# Altium PCB REFERENCE.PcbDoc (part 1 of 2) (continued)
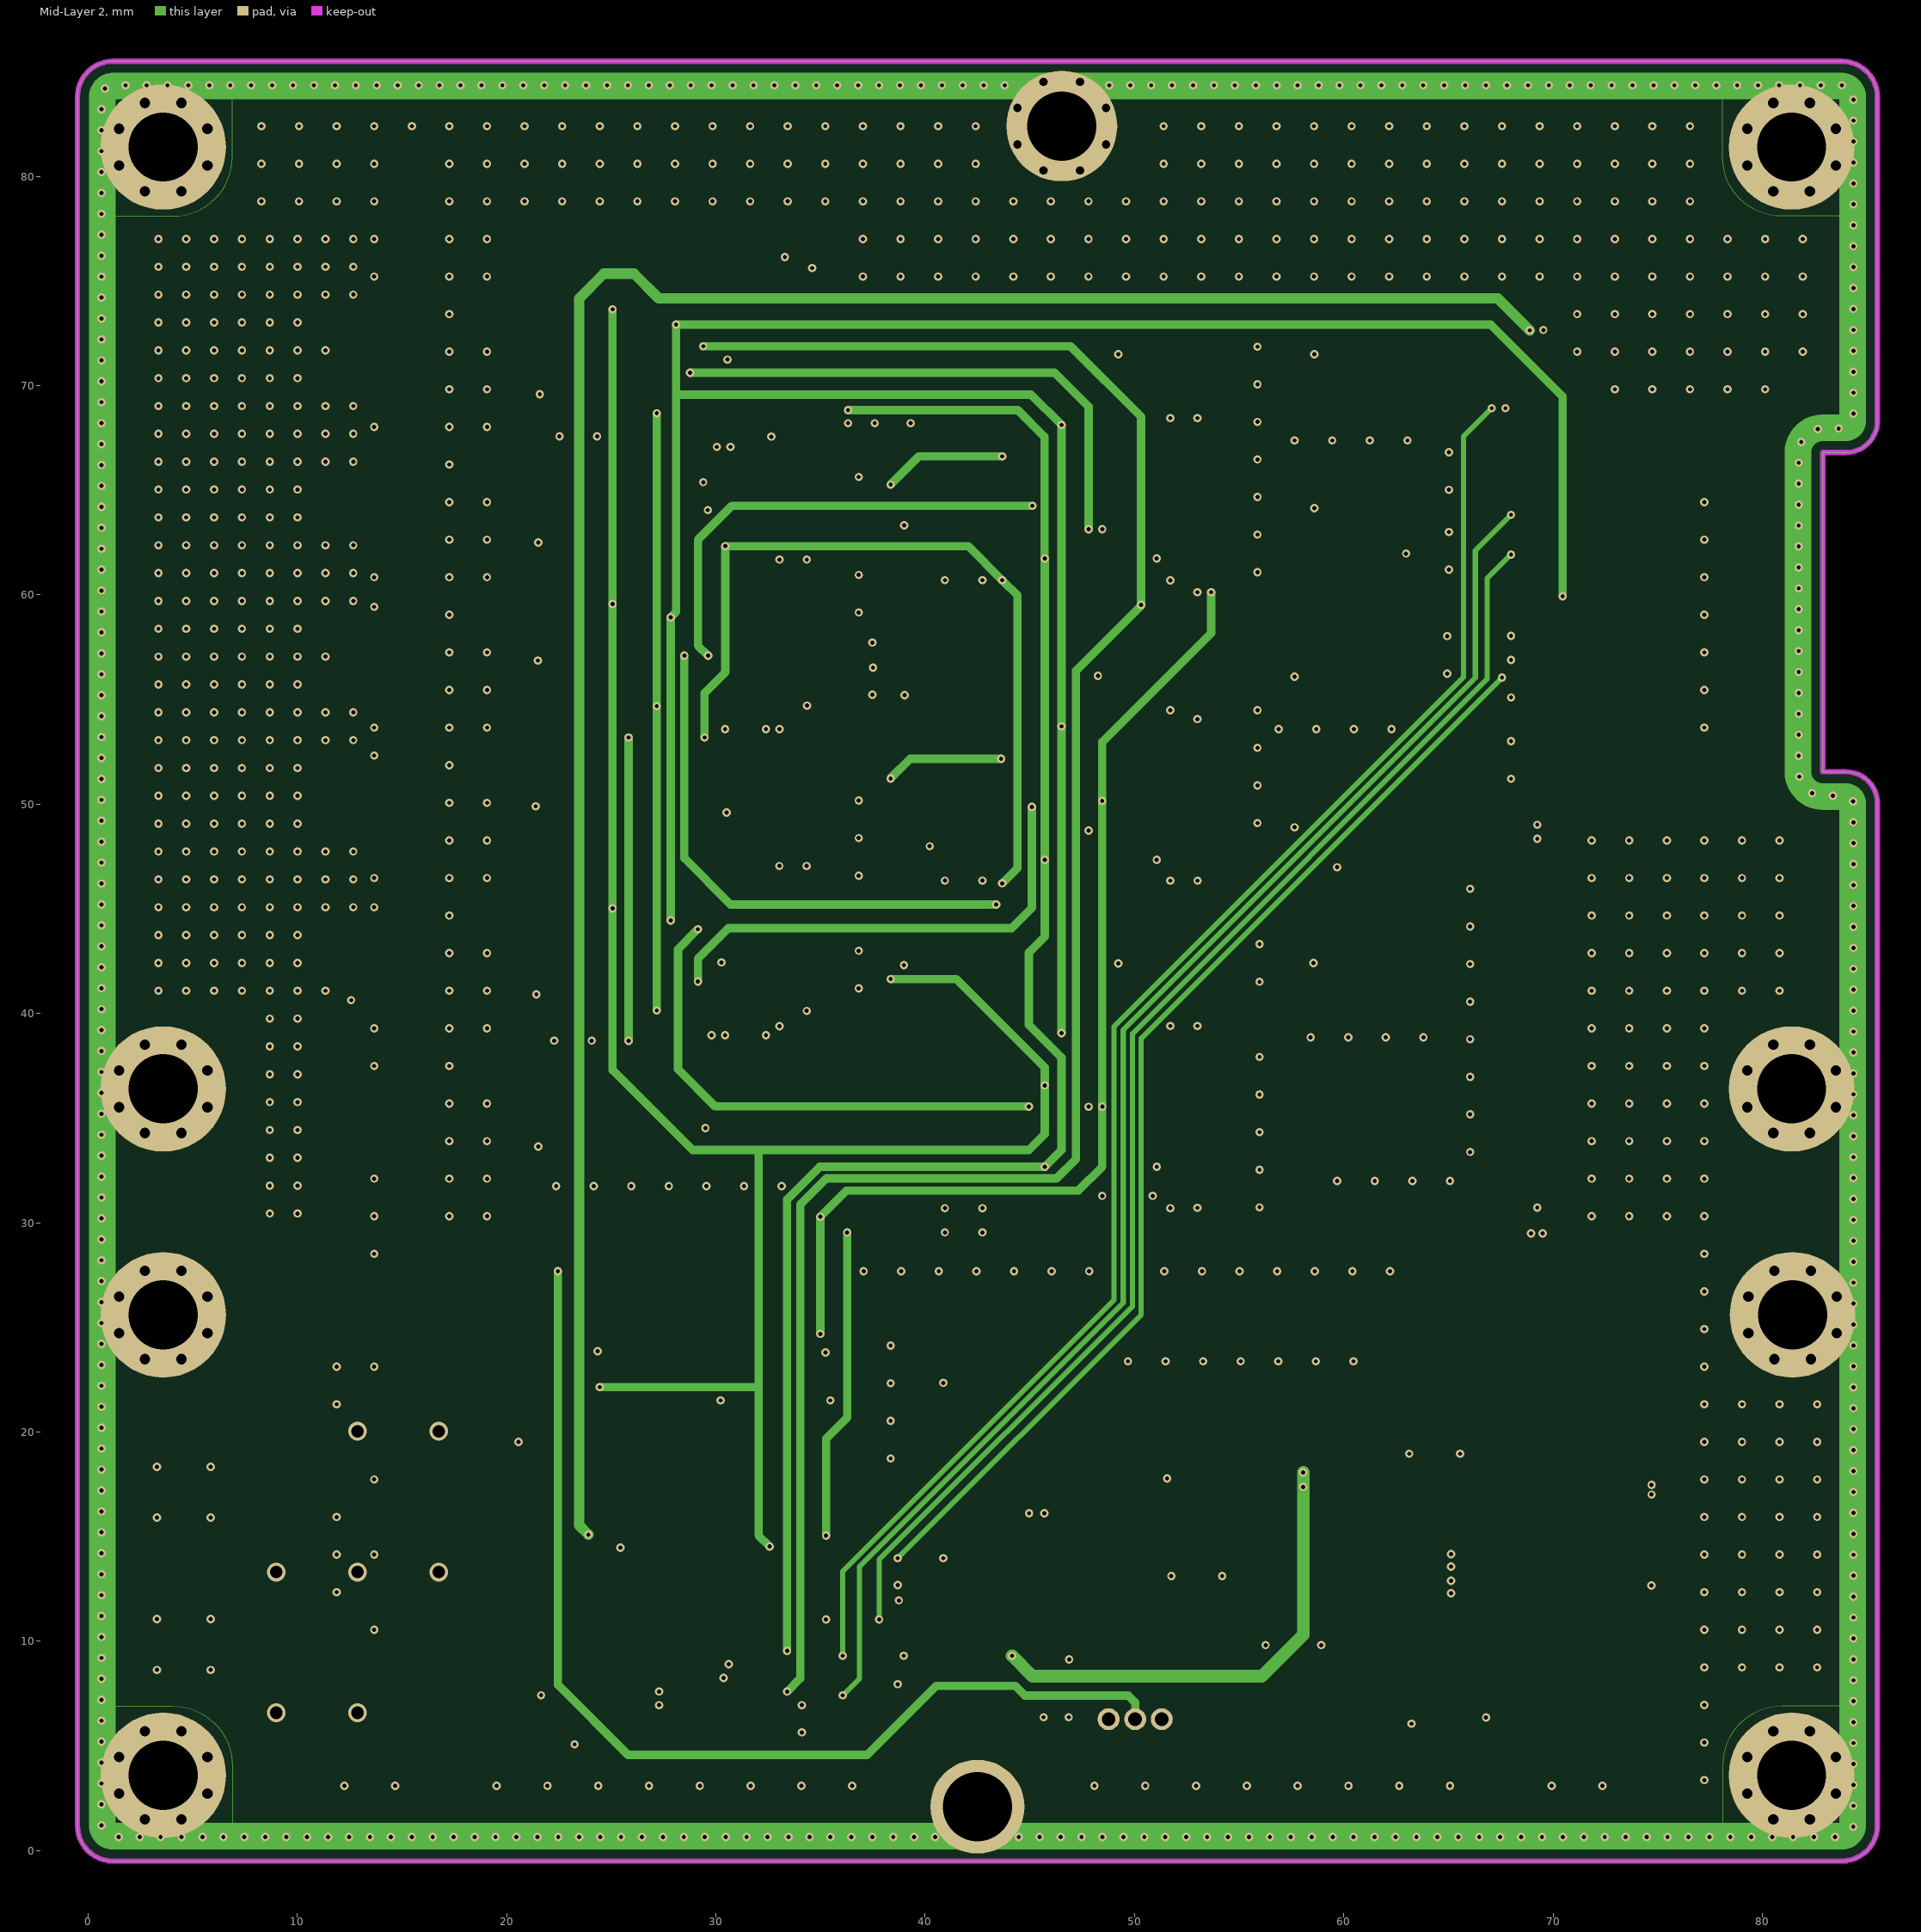
[diagram p3: Mid-Layer 2]
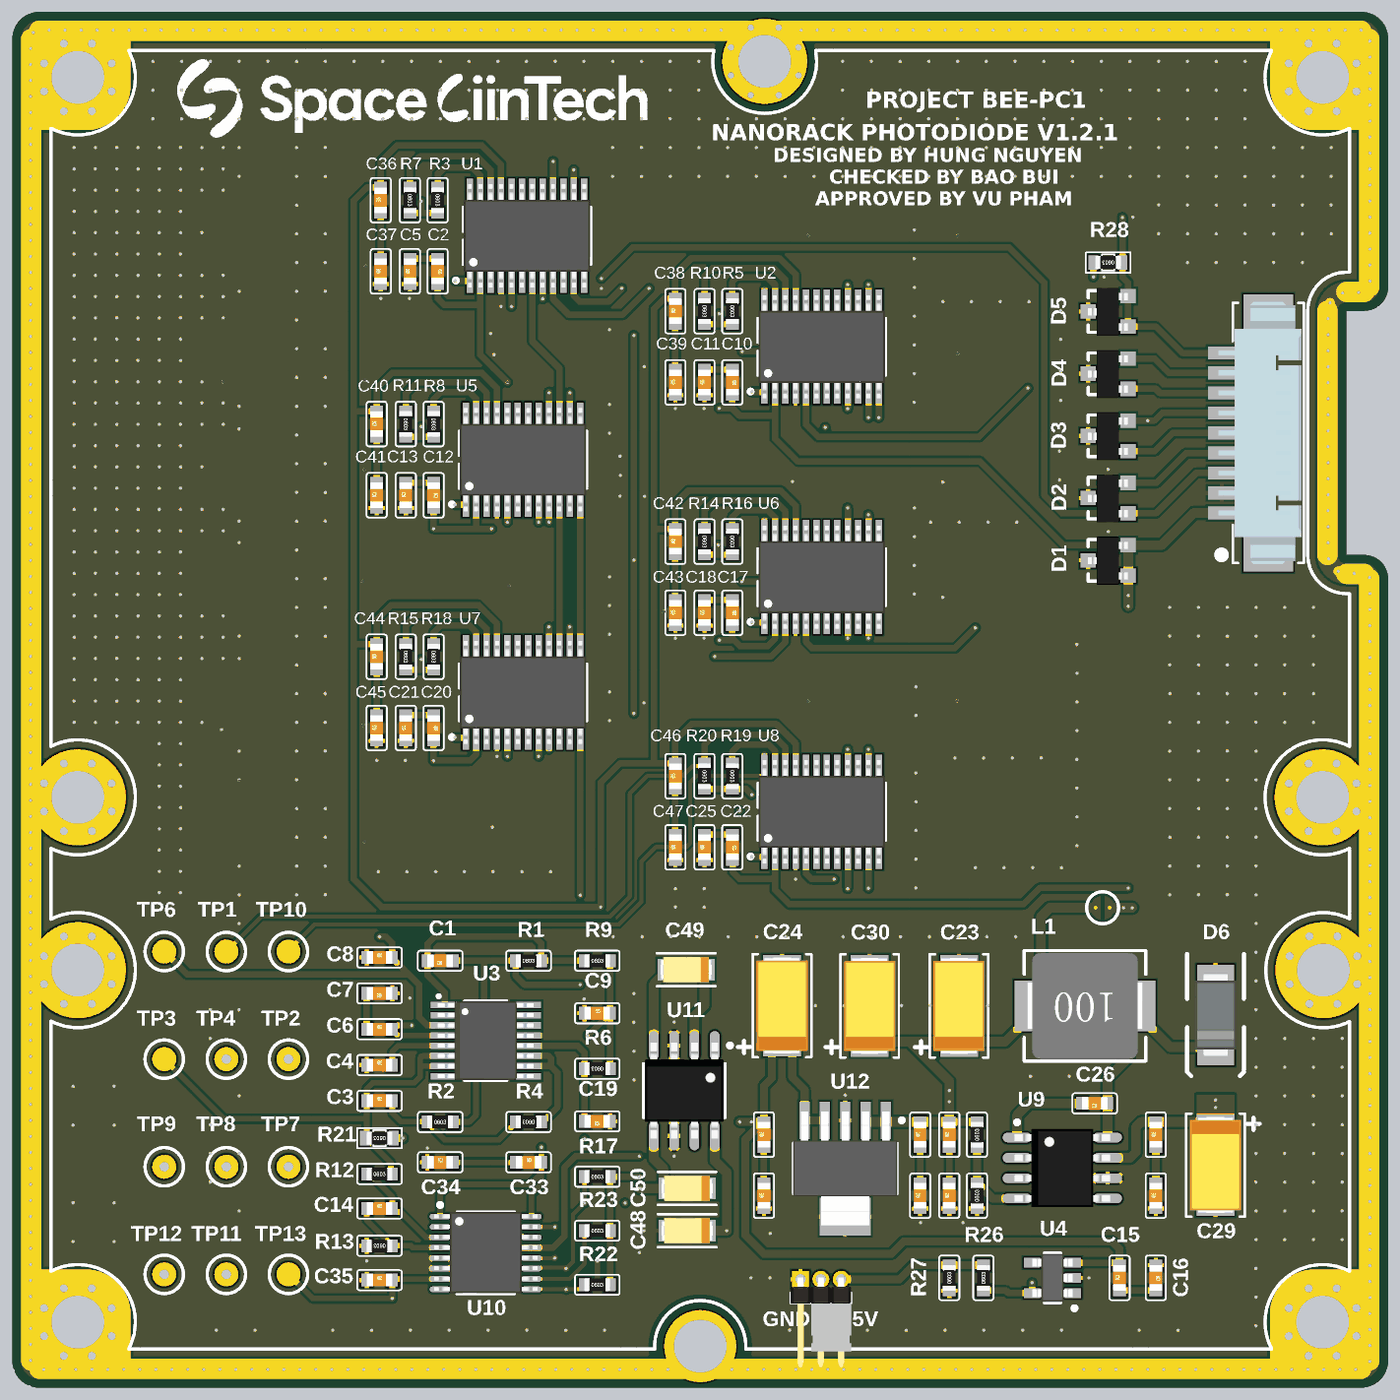
[diagram p5: 3D render of the assembled board from above, using the file's embedded part models]
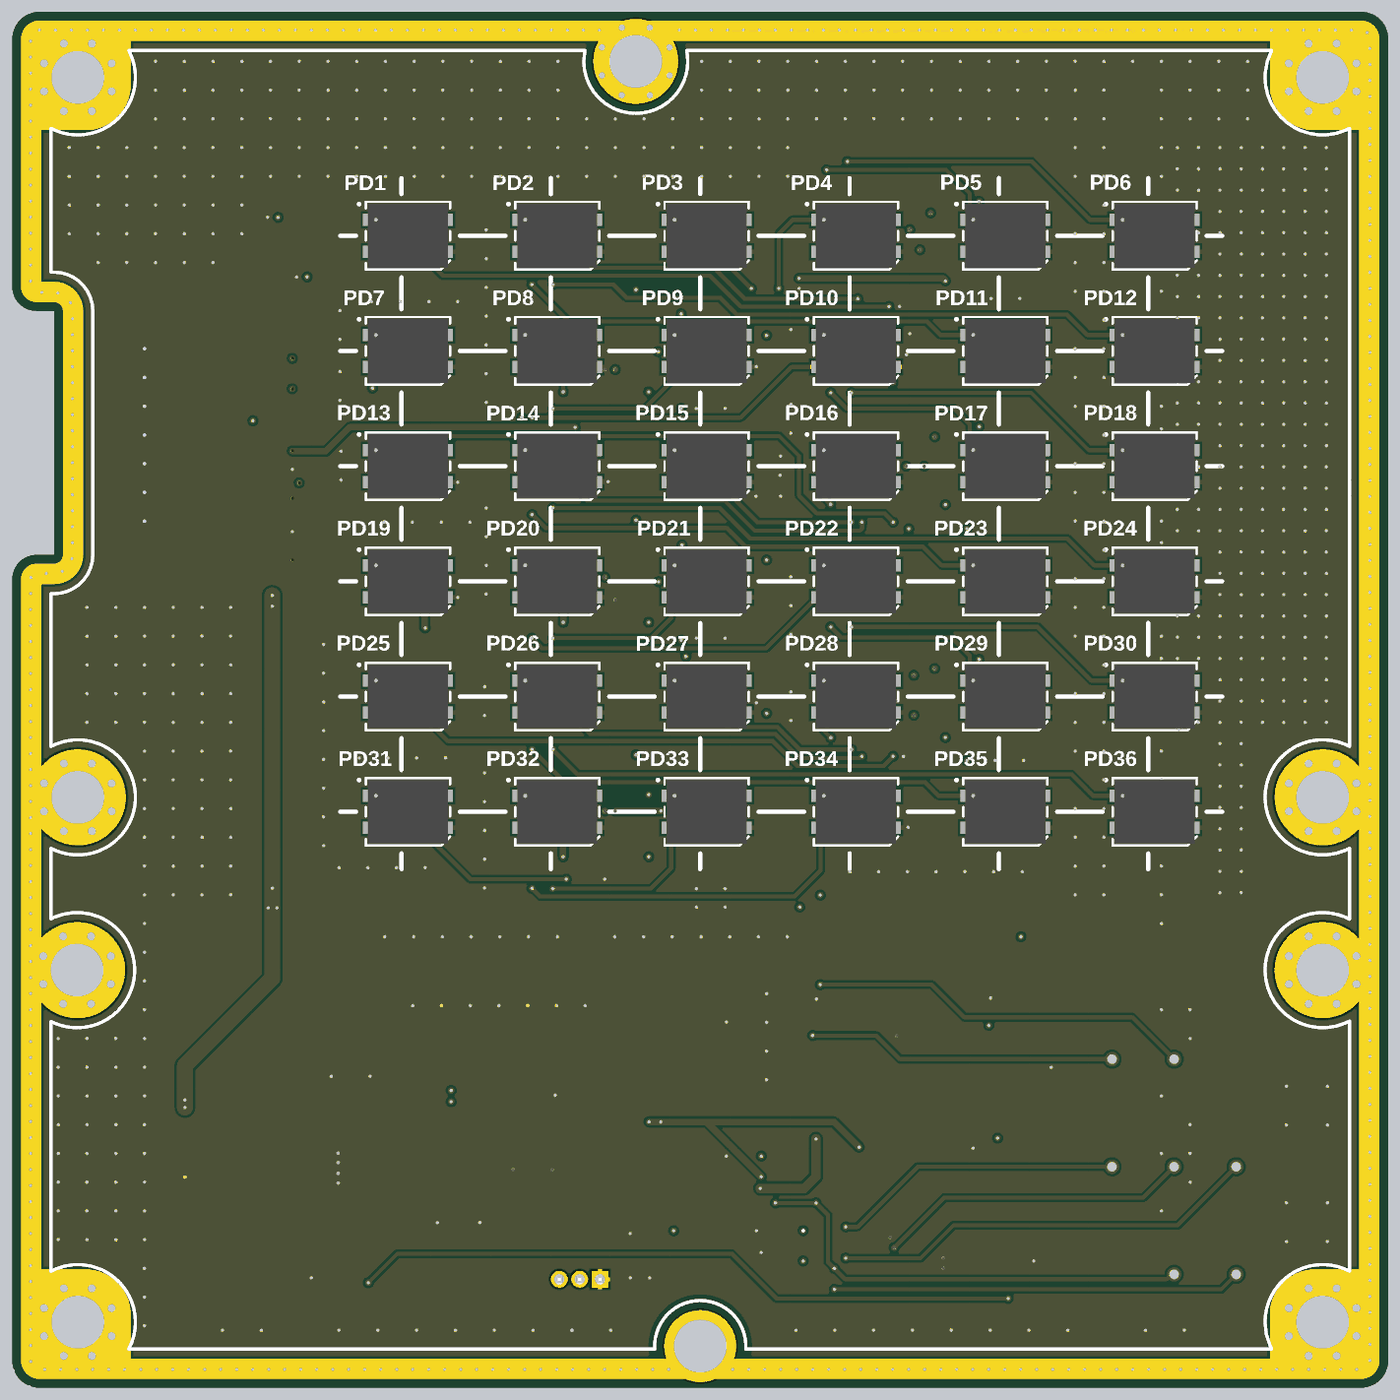
[diagram p6: 3D render of the assembled board from below, using the file's embedded part models]

## Layer stack, top to bottom
Top Solder: solder mask 0.0102, Solder Resist, Dk 3.5
Top Layer: signal copper 0.0356
Dielectric 1: dielectric 0.32, FR-4, Dk 4.8
Mid-Layer 1: signal copper 0.0356
Dielectric2: dielectric 0.32, FR-4, Dk 4.8
Mid-Layer 2: signal copper 0.0356
Dielectric3: dielectric 0.32, FR-4, Dk 4.8
Bottom Layer: signal copper 0.0356
Bottom Solder: solder mask 0.0102, Solder Resist, Dk 3.5

## Board outline
-0.5,1.2 -0.5,83.8 -0.5,83.806 cw(c1.2,83.8) 1.2,85.5 83.8,85.5 83.806,85.5 cw(c83.8,83.8) 85.5,83.8 85.5,68.306 85.5,68.301 cw(c84,68.306) 84,66.806 82.886,66.806 82.886,51.55 84,51.55 cw(c84,50.05) 85.5,50.05 85.5,1.2 85.5,1.196 cw(c83.8,1.2) 83.8,-0.5 1.2,-0.5 1.194,-0.5 cw(c1.2,1.2)

## Design rules (kind name [scope] priority, off if disabled: settings)
Clearance [All] p1: gap=0.15 ignorepadtopadclearanceinfootprint=TRUE
HoleSize [All] p1: absolutevalues=TRUE maxlimit=6 minlimit=0.025 maxpercent=80.000 minpercent=20.000
HoleToHoleClearance [All] p1: gap=0.12 allowstackedmicrovias=TRUE
MinimumSolderMaskSliver [All] p1: minsoldermaskwidth=0.17
PolygonConnect [All] p1: thpad.connectstyle=Relief thpad.reliefconductorwidth=0.254 thpad.reliefentries=4 thpad.polygonreliefangle="90 Angle" thpad.airgapwidth=0.15 thpad.conductorbypadedge=TRUE thpad.mindistance=0.381 thpad.enablemindistance=FALSE smdpad.connectstyle=Relief smdpad.reliefconductorwidth=0.254 smdpad.reliefentries=4 smdpad.polygonreliefangle="90 Angle" smdpad.airgapwidth=0.15 smdpad.conductorbypadedge=TRUE smdpad.mindistance=0.381 smdpad.enablemindistance=FALSE via.connectstyle=Direct via.reliefconductorwidth=0.254 via.reliefentries=4 via.polygonreliefangle="90 Angle" via.airgapwidth=0.254
RoutingVias [All] p1: holewidth=0.2 width=0.4 viastyle="Through Hole" minholewidth=0.2 minwidth=0.4 maxholewidth=0.6 maxwidth=0.9
SilkToSilkClearance [All] p1: silktosilkclearance=0.12
SilkToSolderMaskClearance [IsPad] p1: minsilkscreentomaskgap=0.12 clearancetoexposedcopper=TRUE
SolderMaskExpansion [All] p1: expansion=0.102 istentingtop=FALSE
Width [All] p1: maxlimit=3 minlimit=0.254 preferedwidth=0.4
25 further rules are at their usual default settings.

## Classes and differential pairs
component class "POWER SWITCH AND LDO": C23 C24 C26 C27 C28 C29 C30 C31 C32 C48 C49 C50 C173 C213 C215 C219 D6 JP1 L1 R24 R25 U9 U11 U12
component class PHOTODIODE: C1 C2 C3 C4 C5 C6 C7 C8 C9 C10 C11 C12 C13 C15 C16 C17 C18 C19 C20 C21 C22 C25 C36 C37 C38 C39 C40 C41 C42 C43 C44 C45 C46 C47 J2 PD1 PD2 PD3 PD4 PD5 PD6 PD7 PD8 PD9 PD10 PD11 PD12 PD13 PD14 PD15 PD16 PD17 PD18 PD19 PD20 PD21 PD22 PD23 PD24 PD25 PD26 PD27 PD28 PD29 PD30 PD31 PD32 PD33 PD34 PD35 PD36 R1 R2 R3 R4 R5 R6 R7 R8 R9 R10 R11 R14 R15 R16 R18 R19 R20 R21 R26 R27 TP1 TP2 TP3 TP4 TP6 U1 U2 U3 U4 U5 U6 U7 U8
component class COMMUNICATION: C14 C33 C34 C35 D1 D2 D3 D4 D5 H1 H2 H3 H4 H5 H6 H7 H8 H9 J1 R12 R13 R17 R22 R23 R28 TP7 TP8 TP9 TP10 TP11 TP12 TP13 U10

## Components (designator, comment, footprint, x,y, rotation, side; value= is the part's Value field where it differs from the comment)
C1 "470pF/25V" CN-SMD-0603 26.244,26.192 r180 top value=103
C2 "0.22uF/25V" CN-SMD-0603 26.088,69.276 r270 top value=103
C3 "10nF/25V" CN-SMD-0603 22.455,17.429 r0 top value=103
C4 "10nF/25V" CN-SMD-0603 22.455,19.67 r0 top value=103
C5 "0.22uF/25V" CN-SMD-0603 24.354,69.276 r90 top value=103
C6 "0.22uF/25V" CN-SMD-0603 22.455,21.91 r0 top value=103
C7 "0.22uF/25V" CN-SMD-0603 22.455,24.151 r180 top value=103
C8 "0.22uF/25V" CN-SMD-0603 22.455,26.392 r0 top value=103
C9 "470pF/25V" CN-SMD-0603 36.068,22.906 r0 top value=103
C10 "0.22uF/25V" CN-SMD-0603 44.502,62.338 r270 top value=103
C11 "0.22uF/25V" CN-SMD-0603 42.768,62.338 r90 top value=103
C12 "0.22uF/25V" CN-SMD-0603 25.834,55.282 r270 top value=103
C13 "0.22uF/25V" CN-SMD-0603 24.1,55.282 r90 top value=103
C14 "470pF/25V" CN-SMD-0603 22.455,10.707 r0 top value=103
C15 "0.22uF/25V" CN-SMD-0603 68.708,6.367 r90 top value=103
C16 "0.22uF/25V" CN-SMD-0603 70.974,6.367 r270 top value=103
C17 "0.22uF/25V" CN-SMD-0603 44.502,47.938 r270 top value=103
C18 "0.22uF/25V" CN-SMD-0603 42.768,47.938 r90 top value=103
C19 "10nF/25V" CN-SMD-0603 36.068,16.154 r180 top value=103
C20 "0.22uF/25V" CN-SMD-0603 25.834,40.738 r270 top value=103
C21 "0.22uF/25V" CN-SMD-0603 24.1,40.738 r90 top value=103
C22 "0.22uF/25V" CN-SMD-0603 44.502,33.276 r270 top value=103
C23 "100uF 16V" "CAP TANT 2312" 58.674,23.368 r90 top
C24 "100uF 16V" "CAP TANT 2312" 47.612,23.38 r90 top
C25 "0.22uF/25V" CN-SMD-0603 42.768,33.276 r90 top value=103
C26 "10nF/25V" CN-SMD-0603 67.156,17.272 r180 top value=103
C27 "0.22uF/25V" CN-SMD-0603 70.974,15.317 r90 top value=103
C28 "0.22uF/25V" CN-SMD-0603 58.067,15.317 r90 top value=103
C29 "100uF/16V" "CAP TANT 2312" 74.706,13.411 r270 top
C30 "100uF/16V" "CAP TANT 2312" 53.086,23.368 r90 top
C31 "0.22uF/25V" CN-SMD-0603 70.974,11.505 r90 top value=103
C32 "0.22uF/25V" CN-SMD-0603 58.067,11.505 r90 top value=103
C33 "0.22uF/25V" CN-SMD-0603 31.771,13.588 r0 top value=103
C34 "0.22uF/25V" CN-SMD-0603 26.244,13.588 r0 top value=103
C35 "0.22uF/25V" CN-SMD-0603 22.455,6.226 r0 top value=103
C36 "0.22uF/25V" CN-SMD-0603 22.532,73.724 r90 top value=103
C37 "0.22uF/25V" CN-SMD-0603 22.532,69.276 r90 top value=103
C38 "0.22uF/25V" CN-SMD-0603 40.946,66.786 r90 top value=103
C39 "0.22uF/25V" CN-SMD-0603 40.946,62.338 r90 top value=103
C40 "0.22uF/25V" CN-SMD-0603 22.278,59.73 r90 top value=103
C41 "0.22uF/25V" CN-SMD-0603 22.278,55.282 r90 top value=103
C42 "0.22uF/25V" CN-SMD-0603 40.946,52.386 r90 top value=103
C43 "0.22uF/25V" CN-SMD-0603 40.946,47.938 r90 top value=103
C44 "0.22uF/25V" CN-SMD-0603 22.278,45.186 r90 top value=103
C45 "0.22uF/25V" CN-SMD-0603 22.278,40.738 r90 top value=103
C46 "0.22uF/25V" CN-SMD-0603 40.946,37.724 r90 top value=103
C47 "0.22uF/25V" CN-SMD-0603 40.946,33.276 r90 top value=103
C48 "10uF 16V" CAP_TANT_1206 41.678,9.312 r180 top
C49 "10uF 16V" CAP_TANT_1206 41.617,25.628 r180 top
C50 "10uF 16V" CAP_TANT_1206 41.678,11.955 r180 top
C173 "0.22uF/25V" CN-SMD-0603 56.247,15.317 r90 top value=103
C213 "0.22uF/25V" CN-SMD-0603 46.482,15.317 r90 top value=103
C215 "0.22uF/25V" CN-SMD-0603 46.482,11.505 r90 top value=103
C219 "0.22uF/25V" CN-SMD-0603 56.247,11.505 r90 top value=103
D1 "S2312" SOT23-123 67.998,51.214 r90 top
D2 "S2305" SOT23-123 67.998,55.104 r90 top
D3 "S2305" SOT23-123 67.998,58.993 r90 top
D4 "S2305" SOT23-123 67.998,62.882 r90 top
D5 "S2305" SOT23-123 67.998,66.771 r90 top
D6 "SS54" DIO-SMD-A 74.706,22.796 r90 top value=1N5007
H1 "HOLD" "M3 - 6mm"#1 3.6,3.6 r22.5 top
H2 "HOLD" "M3 - 6mm"#1 81.4,3.6 r22.5 top
H3 "HOLD" "M3 - 6mm"#1 81.448,25.6 r22.5 top
H4 "HOLD" "M3 - 6mm"#1 81.4,36.4 r22.5 top
H5 "HOLD" "M3 - 6mm"#1 81.4,81.4 r22.5 top
H6 "HOLD" "M3 - 6mm"#1 3.6,81.4 r22.5 top
H7 "HOLD" "M3 - 6mm"#1 3.6,36.4 r22.5 top
H8 "HOLD" "M3 - 6mm"#1 3.6,25.6 r22.5 top
H9 "HOLD" "M3 - 6mm"#2 46.53,82.4 r22.5 top
J1 "0532610971" 0532610971 78,59.175 r270 top
J2 "Conn shunt" M50-3930342 50.038,5.282 r0 top
JP1 "JUMP2" Jump2 67.648,29.5 r270 top
L1 "15uH/3.5A" SRP7050TA 66.548,23.368 r180 top
PD1 "Photodiode" VEMD5080X01#1 61.172,71.5 r180 bottom locked
PD2 "Photodiode" VEMD5080X01#1 51.838,71.5 r180 bottom locked
PD3 "Photodiode" VEMD5080X01#1 42.504,71.5 r180 bottom locked
PD4 "Photodiode" VEMD5080X01#1 33.17,71.5 r180 bottom locked
PD5 "Photodiode" VEMD5080X01#1 23.836,71.5 r180 bottom locked
PD6 "Photodiode" VEMD5080X01#1 14.502,71.5 r180 bottom locked
PD7 "Photodiode" VEMD5080X01#1 61.172,64.3 r180 bottom locked
PD8 "Photodiode" VEMD5080X01#1 51.838,64.3 r180 bottom locked
PD9 "Photodiode" VEMD5080X01#1 42.504,64.3 r180 bottom locked
PD10 "Photodiode" VEMD5080X01#2 33.17,64.3 r180 bottom locked
PD11 "Photodiode" VEMD5080X01#1 23.836,64.3 r180 bottom locked
PD12 "Photodiode" VEMD5080X01#1 14.502,64.3 r180 bottom locked
PD13 "Photodiode" VEMD5080X01#1 61.172,57.1 r180 bottom locked
PD14 "Photodiode" VEMD5080X01#1 51.838,57.1 r180 bottom locked
PD15 "Photodiode" VEMD5080X01#1 42.504,57.1 r180 bottom locked
PD16 "Photodiode" VEMD5080X01#1 33.17,57.1 r180 bottom locked
PD17 "Photodiode" VEMD5080X01#1 23.836,57.1 r180 bottom locked
PD18 "Photodiode" VEMD5080X01#1 14.502,57.1 r180 bottom locked
PD19 "Photodiode" VEMD5080X01#1 61.172,49.9 r180 bottom locked
PD20 "Photodiode" VEMD5080X01#1 51.838,49.9 r180 bottom locked
PD21 "Photodiode" VEMD5080X01#1 42.504,49.9 r180 bottom locked
PD22 "Photodiode" VEMD5080X01#1 33.17,49.9 r180 bottom locked
PD23 "Photodiode" VEMD5080X01#1 23.836,49.9 r180 bottom locked
PD24 "Photodiode" VEMD5080X01#1 14.502,49.9 r180 bottom locked
PD25 "Photodiode" VEMD5080X01#1 61.172,42.7 r180 bottom locked
PD26 "Photodiode" VEMD5080X01#1 51.838,42.7 r180 bottom locked
PD27 "Photodiode" VEMD5080X01#1 42.504,42.7 r180 bottom locked
PD28 "Photodiode" VEMD5080X01#1 33.17,42.7 r180 bottom locked
PD29 "Photodiode" VEMD5080X01#1 23.836,42.7 r180 bottom locked
PD30 "Photodiode" VEMD5080X01#1 14.502,42.7 r180 bottom locked
PD31 "Photodiode" VEMD5080X01#1 61.172,35.5 r180 bottom locked
PD32 "Photodiode" VEMD5080X01#1 51.838,35.5 r180 bottom locked
PD33 "Photodiode" VEMD5080X01#1 42.504,35.5 r180 bottom locked
PD34 "Photodiode" VEMD5080X01#1 33.17,35.5 r180 bottom locked
PD35 "Photodiode" VEMD5080X01#1 23.836,35.5 r180 bottom locked
PD36 "Photodiode" VEMD5080X01#1 14.502,35.5 r180 bottom locked
R1 "330k 1%" RES-SMD-0603#1 31.771,26.192 r0 top
R2 "10K 1%" RES-SMD-0603#1 26.244,16.109 r0 top
R3 "4.7K 1%" RES-SMD-0603#1 26.088,73.724 r270 top
R4 "10K 1%" RES-SMD-0603#1 31.771,16.109 r180 top
R5 "4.7K 1%" RES-SMD-0603#1 44.502,66.786 r270 top
R6 "10K 1%" RES-SMD-0603#1 36.068,19.44 r180 top
R7 "4.7K 1%" RES-SMD-0603#1 24.354,73.724 r270 top
R8 "4.7K 1%" RES-SMD-0603#1 25.834,59.73 r270 top
R9 "51R 1%" RES-SMD-0603#1 36.068,26.192 r0 top
R10 "4.7K 1%" RES-SMD-0603#1 42.768,66.786 r270 top
R11 "4.7K 1%" RES-SMD-0603#1 24.1,59.73 r270 top
R12 "22R 1%" RES-SMD-0603#1 22.455,12.858 r0 top
R13 "22R 1%" RES-SMD-0603#1 22.455,8.377 r180 top
R14 "4.7K 1%" RES-SMD-0603#1 42.768,52.386 r270 top
R15 "4.7K 1%" RES-SMD-0603#1 24.1,45.186 r270 top
R16 "4.7K 1%" RES-SMD-0603#1 44.502,52.386 r270 top
R17 "4.7K 1%" RES-SMD-0603#1 36.068,12.688 r0 top
R18 "4.7K 1%" RES-SMD-0603#1 25.834,45.186 r270 top
R19 "4.7K 1%" RES-SMD-0603#1 44.502,37.724 r270 top
R20 "4.7K 1%" RES-SMD-0603#1 42.768,37.724 r270 top
R21 "0R/DNP" RES-SMD-0603#2 22.455,15.099 r180 top
R22 "4.7K 1%" RES-SMD-0603#1 36.068,5.936 r0 top
R23 "4.7K 1%" RES-SMD-0603#1 36.068,9.312 r0 top
R24 "10K 1%" RES-SMD-0603#1 59.797,15.317 r90 top
R25 "3.24K 0.1%" RES-SMD-0603#1 59.797,11.505 r90 top
R26 "10K 1%" RES-SMD-0603#1 60.197,6.367 r90 top
R27 "2K 1%" RES-SMD-0603#1 58.067,6.367 r90 top
R28 "0R" RES-SMD-0603#2 67.998,69.827 r180 top
TP1 "Test_Point" TESTPOINT#1 12.882,26.763 r0 top
TP2 "Test_Point" TESTPOINT#1 16.764,20.037 r180 top
TP3 "Test_Point" TESTPOINT#1 9,20.037 r180 top
TP4 "Test_Point" TESTPOINT#1 12.882,20.037 r180 top
TP6 "Test_Point" TESTPOINT#2 10.66,26.763 r180 top
TP7 "Test_Point" TESTPOINT#1 16.764,13.312 r180 top
TP8 "Test_Point" TESTPOINT#1 12.882,13.312 r180 top
TP9 "Test_Point" TESTPOINT#1 9,13.312 r180 top
TP10 "Test_Point" TESTPOINT#3 17.806,26.763 r90 top
TP11 "Test_Point" TESTPOINT#1 12.882,6.587 r180 top
TP12 "Test_Point" TESTPOINT#1 9,6.587 r180 top
TP13 "Test_Point" TESTPOINT#1 16.764,6.587 r180 top
U1 "ADG1414BRUZ" TSSOP24 31.676,71.5 r90 top
U2 "ADG1414BRUZ" TSSOP24 50.09,64.562 r90 top
U3 "OPA4340" SSOP16 29.093,21.195 r0 top
U4 "REF1930" SOT23-5 64.516,6.367 r180 top
U5 "ADG1414BRUZ" TSSOP24 31.422,57.506 r90 top
U6 "ADG1414BRUZ" TSSOP24 50.09,50.162 r90 top
U7 "ADG1414BRUZ" TSSOP24 31.422,42.962 r90 top
U8 "ADG1414BRUZ" TSSOP24 50.09,35.5 r90 top
U9 "TPS5430DDAR" HSOP8 65.131,13.233 r0 top
U10 "ADS8327" TSSOP16 29.093,7.926 r0 top
U11 "ICL7660" SO8 41.502,18.067 r270 top
U12 "TPS7A4533DCQR" SOT223-6 51.562,13.208 r270 top

## Footprints (in the part's own frame and the unit in brackets; to place one, negate y for a bottom-side part, rotate by r counter-clockwise, add the part's x,y. Pads: shape width x height; smd on the part's side, far side on the other; paste and mask are expansions set on the pad)
0532610971 [mil] "CONN HEADER SMD R/A 9POS 1.25MM"
  rect 32x67 smd paste+0 mask+0: 1(196.85,-114.35) 2(147.64,-114.35) 3(98.43,-114.35) 4(49.21,-114.35) 5(0,-114.35) 6(-49.21,-114.35) 7(-98.43,-114.35) 8(-147.64,-114.35) 9(-196.85,-114.35)
  rect 87x122 smd: 10(-297.24,-0.18) 11(297.24,-0.18)
  silkscreen extent -320,-123 320,88, body extent -323,-122 323,83, height 134
"CAP TANT 2312" [mil]
  rect 74x93 smd paste+0 mask+1.97: 1(-88,0) 2(88,0)
  silkscreen extent -127,-72 127,72, body extent -118,-63 118,63, height 110
CAP_TANT_1206 [mil]
  rect 49.98x53 smd paste+0 mask+0: 1(-45.01,0) 2(45.01,0)
  silkscreen extent -72,-41 72,41, body extent -63,-31 63,31, height 71
CN-SMD-0603 [mm]
  rect 0.7x0.8 smd: 1(-0.8,0) 2(0.8,0)
  silkscreen extent -1.4,-0.64 1.4,0.64, body extent -0.8,-0.4 0.8,0.4, height 0.3
DIO-SMD-A [mm]
  rect 2.286x2.3 smd: 1(2,0) 2(-2,0)
  silkscreen extent -3.81,-1.78 3.81,1.78, body extent -2.6,-1.3 2.6,1.3, height 2.4
HSOP8 [mm] "SOIC, 8-Leads, Body 4.9x3.9mm, Pitch 1.27mm, IPC High Density"
  oval 1.8x0.6 smd: 1(-2.825,1.905) 2(-2.825,0.635) 3(-2.825,-0.635) 4(-2.825,-1.905) 5(2.825,-1.905) 6(2.825,-0.635) 7(2.825,0.635) 8(2.825,1.905)
  rect 2.3x2.8 smd: 9(0,0)
  silkscreen extent -2.95,2.73 -2.7,2.98, body extent -2.99,-2.45 3,2.45, height 1.6
Jump2 [mil]
  round 1 smd paste-99999: 1(0,17.33) 2(0,-17.33)
  Top Layer region: 29.08,-5.13 23.68,-17.63 13.25,-26.39 0,-29.53 -13.25,-26.39 -23.68,-17.63 -29.08,-5.13 -29.08,-5.13
  Top Layer region: -29.08,5.13 -23.68,17.63 -13.25,26.39 0,29.53 13.25,26.39 23.68,17.63 29.08,5.13 29.08,5.13
  silkscreen extent -39,-39 39,39
"M3 - 6mm"#1 [mm] "3.3 x 6mm"
  round 0.8 hole 0.5: 1(-2.286,0) 1(-1.616,-1.616) 1(-1.616,1.616) 1(0,-2.286) 1(0,2.286) 1(1.616,-1.616) 1(1.616,1.616) 1(2.286,0)
  round 6 hole 3.3: 1(0,0)
"M3 - 6mm"#2 [mm] "3.3 x 6mm"
  round 0.7 hole 0.4: 1(-2.286,0) 1(-1.616,-1.616) 1(-1.616,1.616) 1(0,-2.286) 1(0,2.286) 1(1.616,-1.616) 1(1.616,1.616) 1(2.286,0)
  round 5.3 hole 3.3: 1(0,0)
M50-3930342 [mm]
  rect 1.05x1.05 / inner round 1.05 / far side rect 1.05x1.05 hole 0.65: 1(-1.27,1)
  round 1.05 hole 0.65: 2(0,1) 3(1.27,1)
  silkscreen extent -1.91,-0.5 1.91,0.15, body extent -1.91,-4.51 1.91,1.19, height 2.05
RES-SMD-0603#1 [mm]
  rect 0.7x0.8 smd: 1(-0.8,0) 2(0.8,0)
  silkscreen extent -1.4,-0.64 1.4,0.64, body extent -0.8,-0.4 0.8,0.4, height 0.43
RES-SMD-0603#2 [mm]
  rect 0.6x0.9 smd: 1(-0.889,0) 2(0.927,0)
  silkscreen extent -1.4,-0.64 1.4,0.64, body extent -0.8,-0.4 0.8,0.4, height 0.43
SO8 [mm] "SOIC, 8-Leads, Body 4.9x3.9mm, Pitch 1.27mm, IPC High Density"
  oval 1.8x0.6 smd: 1(-2.825,1.905) 2(-2.825,0.635) 3(-2.825,-0.635) 4(-2.825,-1.905) 5(2.825,-1.905) 6(2.825,-0.635) 7(2.825,0.635) 8(2.825,1.905)
  silkscreen extent -2.95,-2.55 1.68,2.98, body extent -2.99,-2.45 3,2.45, height 1.6
SOT23-5 [mm] "SOT23-5"
  rect 1x0.6 smd: 1(-1.275,0.95) 2(-1.275,0) 3(-1.275,-0.95) 4(1.275,-0.95) 5(1.275,0.95)
  silkscreen extent -1.5,-1.55 0.5,2.02, body extent -1.25,-1.5 1.25,1.5, height 1.1
SOT23-123 [mm] "SOT23, 1=bottom-left, 2=top, 3=bottom-right"
  rect 0.9x0.95 smd: 1(-0.95,-1.25) 2(0,1.25)
  rect 0.9x0.95 smd mask+0: 3(0.95,-1.25)
  silkscreen extent -1.3,-0.38 1.3,1.25, body extent -1.52,-1.23 1.48,1.27, height 1.06
SOT223-6 [mm]
  rect 2.346x0.632 smd paste+0 mask+0.05: 1(-3.01,2.54) 2(-3.01,1.27) 3(-3.01,0) 4(-3.01,-1.27) 5(-3.01,-2.54)
  rect 2.346x3.172 smd paste+0 mask+0.05: 6(3.01,0)
  silkscreen extent -3.14,-3.25 1.6,3.66, body extent -3.55,-3.25 3.55,3.25, height 1.66
SRP7050TA [mm] "Precision Wire Wound Inductor, 2-Leads, Body 7.30x6.60mm, IPC Medium Density"
  rect 3.3x3.15 smd: 1(-2.75,0) 2(2.75,0)
  silkscreen extent -3.8,-3.45 3.8,3.45, body extent -3.6,-3.3 3.6,3.3, height 4.91
SSOP16 [mm]
  rect 1.8x0.4 smd mask+0.05: 1(-2.553,2.222) 2(-2.553,1.587) 3(-2.553,0.953) 4(-2.553,0.318) 5(-2.553,-0.318) 6(-2.553,-0.953) 7(-2.553,-1.587) 8(-2.553,-2.222) 9(2.553,-2.222) 10(2.553,-1.587) 11(2.553,-0.953) 12(2.553,-0.318) 13(2.553,0.318) 14(2.553,0.953) 15(2.553,1.587) 16(2.553,2.222)
  silkscreen extent -3,-2.5 1.33,2.84, body extent -3,-2.45 3,2.45, height 1.75
TESTPOINT#1 [mm]
  round 1.5 smd paste-2539.97: 1(0,0)
  silkscreen extent -1.2,-1.2 1.2,1.2
TESTPOINT#2 [mm]
  round 1.5 smd paste-2539.97: 1(1.66,0)
  silkscreen extent 0.46,-1.2 2.86,1.2
TESTPOINT#3 [mm]
  round 1.5 smd paste-2539.97: 1(0,1.042)
  silkscreen extent -1.2,-0.16 1.2,2.24